# Altium PCB FPGA_Module.PcbDoc (part 3 of 6)
Units mm, origin at the board's own origin, x right, y up, seen from the top; angles counter-clockwise.
Board outline 40 x 50 mm, 6 copper layers (Top Layer, Int1 (GND), Int2 (Sign), Int3 (Sign), Int4 (GND), Bottom Layer), stack 1.482 mm thick; 195 components, 212 nets, 1182 pads, 669 vias.
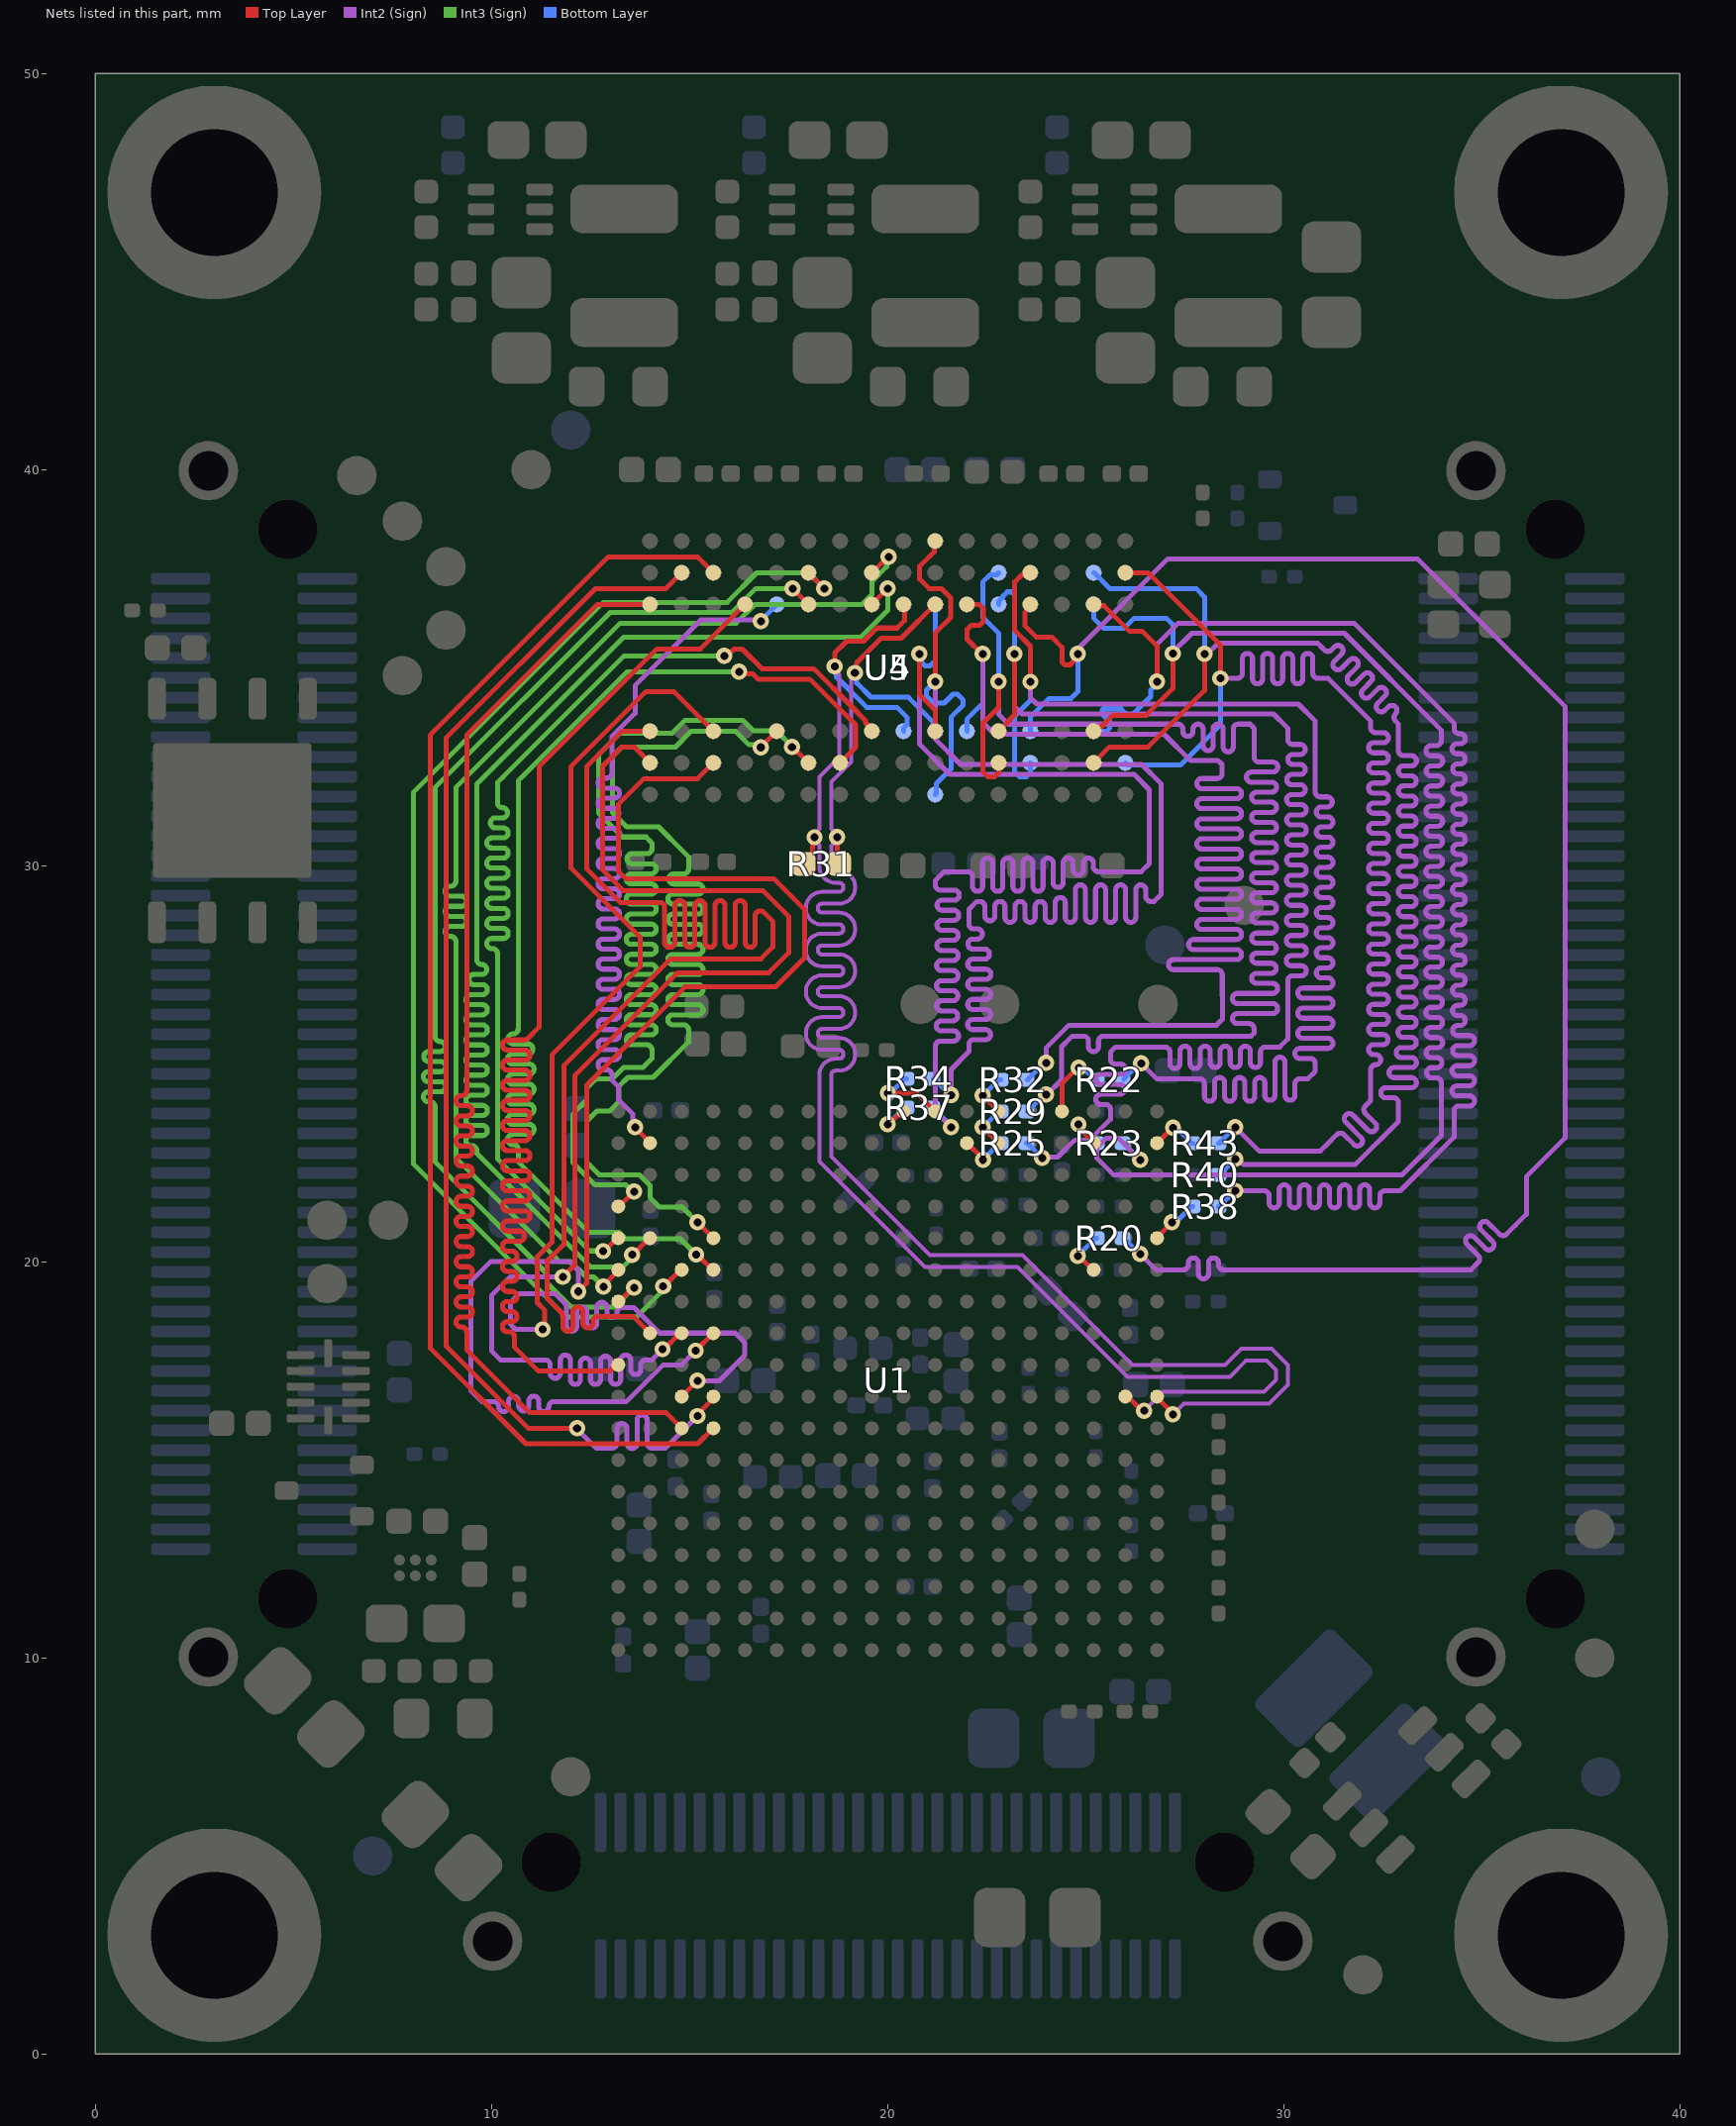
[diagram p7: the nets of this part, all layers, seen from the top]

## Via types
v1: diameter 0.406, hole 0.203, Top Layer to Bottom Layer, tented both sides, 669 vias

## Nets (pads, with @x,y where several pads share a name; then routed paths per layer and width w, separated by ;. In a path a pad name is that pad's centre, name@x,y a point inside that pad or via, vN(x,y) a via of type N, cw(c..) or ccw(c..) an arc to the next point about the centre after c; other vN are vias at no path point) (continued)
DDR3_A7_T: R40.2 U4.R2 U5.R2 | length 46.8
  Top Layer w0.127: U4.R2@25.2,32.6 25.6,33 26.575,33 28,34.425 v1(28,35.35)
  Int2 (Sign) w0.127: v1(28,35.35) 28.072,35.35 28.339,35.617 30.858,35.617 30.979,35.496 31.024,35.451 ccw(c31.114,35.54) 31.204,35.451 31.28,35.527 cw(c31.37,35.437) 31.46,35.527 cw(c31.37,35.437) 31.46,35.348 31.277,35.164 ccw(c31.367,35.075) 31.277,34.985 ccw(c31.367,35.075) 31.457,34.985 31.666,35.195 cw(c31.756,35.105) 31.846,35.195 cw(c31.756,35.105) 31.846,35.015 31.636,34.805 ccw(c31.726,34.715) 31.636,34.626 ccw(c31.726,34.715) 31.816,34.626 32.026,34.835 cw(c32.115,34.746) 32.205,34.835 cw(c32.115,34.746) 32.205,34.656 31.995,34.446 ccw(c32.085,34.356) 31.995,34.266 ccw(c32.085,34.356) 32.175,34.266 32.375,34.466 cw(c32.465,34.377) 32.555,34.466 cw(c32.465,34.377) 32.555,34.287 32.371,34.104 ccw(c32.461,34.014) 32.371,33.924 ccw(c32.461,34.014) 32.551,33.924 32.641,34.014 cw(c32.731,33.924) 32.82,34.014 cw(c32.731,33.924) 32.82,33.834 ccw(c32.91,33.744) 32.82,33.655 32.895,33.58 32.895,33.456 32.895,33.425 32.895,32.906 ccw(c33.022,32.906) 33.022,32.779 33.226,32.779 cw(c33.226,32.652) 33.226,32.525 33.021,32.525 ccw(c33.021,32.398) 33.021,32.271 33.218,32.271 cw(c33.218,32.144) 33.218,32.017 33.021,32.017 ccw(c33.021,31.89) 33.021,31.763 33.218,31.763 cw(c33.218,31.636) 33.218,31.509 33.021,31.509 ccw(c33.021,31.382) 33.021,31.255 33.217,31.255 cw(c33.217,31.128) 33.217,31.001 33.021,31.001 ccw(c33.021,30.874) 33.021,30.747 33.217,30.747 cw(c33.217,30.62) 33.217,30.493 33.021,30.493 ccw(c33.021,30.366) 33.021,30.239 33.217,30.239 cw(c33.217,30.112) 33.217,29.985 33.02,29.985 ccw(c33.02,29.858) 33.02,29.731 33.216,29.731 cw(c33.216,29.604) 33.216,29.477 33.02,29.477 ccw(c33.02,29.35) 33.02,29.223 33.216,29.223 cw(c33.216,29.096) 33.216,28.969 33.02,28.969 ccw(c33.02,28.842) 33.02,28.715 33.215,28.715 cw(c33.215,28.588) 33.215,28.461 33.019,28.461 ccw(c33.019,28.334) 33.019,28.207 33.215,28.207 cw(c33.215,28.08) 33.215,27.953 33.019,27.953 ccw(c33.019,27.826) 33.019,27.699 33.214,27.699 cw(c33.214,27.572) 33.214,27.445 33.018,27.445 ccw(c33.018,27.318) 33.018,27.191 33.215,27.191 cw(c33.215,27.064) 33.215,26.937 33.018,26.937 ccw(c33.018,26.81) 33.018,26.683 33.215,26.683 cw(c33.215,26.556) 33.215,26.429 33.019,26.429 ccw(c33.019,26.302) 33.019,26.175 33.217,26.175 cw(c33.217,26.048) 33.217,25.921 33.011,25.921 ccw(c33.011,25.794) 33.011,25.667 33.219,25.667 cw(c33.219,25.54) 33.219,25.413 32.966,25.413 ccw(c32.966,25.286) 32.966,25.159 33.223,25.159 cw(c33.223,25.032) 33.223,24.905 32.783,24.905 ccw(c32.783,24.778) 32.783,24.651 33.224,24.651 cw(c33.224,24.524) 33.224,24.397 32.576,24.397 ccw(c32.576,24.27) 32.576,24.143 32.768,24.143 cw(c32.768,24.016) 32.895,24.016 32.895,23.952 32.895,23.548 31.801,22.454 28.989,22.454 28.849,22.594 v1(28.775,22.594)
  Bottom Layer w0.127: U5.R2@25.208,37.4 25.618,36.991 27.795,36.991 28,36.786 v1@28,35.358 ; R40.2@28.35,22.2 28.378,22.2 28.772,22.594 v1(28.775,22.594)
DDR3_A8: R43.1 U1.V17 | length 1.2
  Top Layer w0.127: U1.V17@26.8,23 26.807,23 27.195,23.387 v1(27.202,23.387)
  Bottom Layer w0.127: v1(27.202,23.387) 27.278,23.387 27.35,23.315 27.36,23.315 27.675,23 R43.1@27.7,23
DDR3_A8_T: R43.2 U4.T8 U5.T8 | length 46.9
  Top Layer w0.127: U4.T8@26,37.4 26.575,37.4 28.4,35.575 v1(28.4,34.732)
  Int2 (Sign) w0.127: v1(28.4,34.732) 28.766,34.732 28.83,34.732 ccw(c28.83,34.859) 28.957,34.859 28.957,35.236 cw(c29.084,35.236) 29.211,35.236 29.211,34.72 ccw(c29.338,34.72) 29.465,34.72 29.465,35.236 cw(c29.592,35.236) 29.719,35.236 29.719,34.72 ccw(c29.846,34.72) 29.973,34.72 29.973,35.236 cw(c30.1,35.236) 30.227,35.236 30.227,34.72 ccw(c30.354,34.72) 30.481,34.72 30.481,35.236 cw(c30.608,35.236) 30.735,35.236 30.735,34.859 ccw(c30.862,34.859) 30.862,34.732 31.118,34.732 31.15,34.7 32.195,33.655 32.195,33.55 32.195,33.486 ccw(c32.322,33.486) 32.322,33.359 32.514,33.359 cw(c32.514,33.232) 32.514,33.105 32.266,33.105 ccw(c32.266,32.978) 32.266,32.851 32.514,32.851 cw(c32.514,32.724) 32.514,32.597 32.266,32.597 ccw(c32.266,32.47) 32.266,32.343 32.514,32.343 cw(c32.514,32.216) 32.514,32.089 32.266,32.089 ccw(c32.266,31.962) 32.266,31.835 32.514,31.835 cw(c32.514,31.708) 32.514,31.581 32.266,31.581 ccw(c32.266,31.454) 32.266,31.327 32.514,31.327 cw(c32.514,31.2) 32.514,31.073 32.266,31.073 ccw(c32.266,30.946) 32.266,30.819 32.514,30.819 cw(c32.514,30.692) 32.514,30.565 32.266,30.565 ccw(c32.266,30.438) 32.266,30.311 32.514,30.311 cw(c32.514,30.184) 32.514,30.057 32.266,30.057 ccw(c32.266,29.93) 32.266,29.803 32.514,29.803 cw(c32.514,29.676) 32.514,29.549 32.266,29.549 ccw(c32.266,29.422) 32.266,29.295 32.514,29.295 cw(c32.514,29.168) 32.514,29.041 32.266,29.041 ccw(c32.266,28.914) 32.266,28.787 32.514,28.787 cw(c32.514,28.66) 32.514,28.533 32.266,28.533 ccw(c32.266,28.406) 32.266,28.279 32.514,28.279 cw(c32.514,28.152) 32.514,28.025 32.266,28.025 ccw(c32.266,27.898) 32.266,27.771 32.514,27.771 cw(c32.514,27.644) 32.514,27.517 32.266,27.517 ccw(c32.266,27.39) 32.266,27.263 32.514,27.263 cw(c32.514,27.136) 32.514,27.009 32.266,27.009 ccw(c32.266,26.882) 32.266,26.755 32.514,26.755 cw(c32.514,26.628) 32.514,26.501 32.267,26.501 ccw(c32.267,26.374) 32.267,26.247 32.514,26.247 cw(c32.514,26.12) 32.514,25.993 32.269,25.993 ccw(c32.269,25.866) 32.269,25.739 32.505,25.739 cw(c32.505,25.612) 32.505,25.485 32.27,25.485 ccw(c32.27,25.358) 32.27,25.231 32.322,25.231 cw(c32.322,25.104) 32.322,24.977 ccw(c32.322,24.85) 32.195,24.85 32.195,24.135 32.195,24.095 32.195,24.07 32.057,23.932 ccw(c32.147,23.842) 32.057,23.753 32.309,23.501 cw(c32.219,23.411) 32.309,23.321 cw(c32.219,23.411) 32.129,23.321 31.745,23.706 ccw(c31.655,23.616) 31.565,23.706 ccw(c31.655,23.616) 31.565,23.526 31.95,23.142 cw(c31.86,23.052) 31.95,22.962 cw(c31.86,23.052) 31.77,22.962 31.518,23.214 ccw(c31.429,23.124) 31.339,23.214 31.114,22.989 30.925,22.8 29.375,22.8 v1(28.775,23.4)
  Bottom Layer w0.127: U5.T8@26,32.6 26.052,32.548 26.204,32.548 26.211,32.541 27.391,32.541 28.4,33.55 v1(28.4,34.732) ; R43.2@28.35,23 28.375,23 v1(28.775,23.4)
DDR3_A9: R23.1 U1.T17 | length 1.3
  Top Layer w0.127: v1(24.819,23.469) 24.826,23.469 24.826,23.388 25.187,23.026 U1.T17@25.187,23
  Bottom Layer w0.127: v1(24.819,23.469) 24.826,23.469 24.826,23.413 25.238,23 R23.1@25.275,23
DDR3_A9_T: R23.2 U4.R3 U5.R3 | length 47
  Top Layer w0.127: U4.R3@25.2,33.4 25.274,33.4 25.379,33.505 25.393,33.505 25.688,33.8 26.525,33.8 27.2,34.475 v1(27.2,35.359)
  Int2 (Sign) w0.127: v1(26.375,22.575) 25.825,23.125 25.525,23.125 25.275,22.875 25.275,22.625 25.7,22.2 32.991,22.2 33.975,23.184 33.975,23.8 33.975,24.521 ccw(c33.848,24.521) 33.848,24.648 33.732,24.648 cw(c33.732,24.775) 33.732,24.902 33.867,24.902 ccw(c33.867,25.029) 33.867,25.156 33.72,25.156 cw(c33.72,25.283) 33.72,25.41 33.883,25.41 ccw(c33.883,25.537) 33.883,25.664 33.715,25.664 cw(c33.715,25.791) 33.715,25.918 33.882,25.918 ccw(c33.882,26.045) 33.882,26.172 33.712,26.172 cw(c33.712,26.299) 33.712,26.426 33.881,26.426 ccw(c33.881,26.553) 33.881,26.68 33.711,26.68 cw(c33.711,26.807) 33.711,26.934 33.88,26.934 ccw(c33.88,27.061) 33.88,27.188 33.71,27.188 cw(c33.71,27.315) 33.71,27.442 33.88,27.442 ccw(c33.88,27.569) 33.88,27.696 33.711,27.696 cw(c33.711,27.823) 33.711,27.95 33.88,27.95 ccw(c33.88,28.077) 33.88,28.204 33.711,28.204 cw(c33.711,28.331) 33.711,28.458 33.88,28.458 ccw(c33.88,28.585) 33.88,28.712 33.712,28.712 cw(c33.712,28.839) 33.712,28.966 33.88,28.966 ccw(c33.88,29.093) 33.88,29.22 33.712,29.22 cw(c33.712,29.347) 33.712,29.474 33.881,29.474 ccw(c33.881,29.601) 33.881,29.728 33.713,29.728 cw(c33.713,29.855) 33.713,29.982 33.882,29.982 ccw(c33.882,30.109) 33.882,30.236 33.713,30.236 cw(c33.713,30.363) 33.713,30.49 33.883,30.49 ccw(c33.883,30.617) 33.883,30.744 33.714,30.744 cw(c33.714,30.871) 33.714,30.998 33.884,30.998 ccw(c33.884,31.125) 33.884,31.252 33.714,31.252 cw(c33.714,31.379) 33.714,31.506 33.884,31.506 ccw(c33.884,31.633) 33.884,31.76 33.714,31.76 cw(c33.714,31.887) 33.714,32.014 33.885,32.014 ccw(c33.885,32.141) 33.885,32.268 33.722,32.268 cw(c33.722,32.395) 33.722,32.522 33.886,32.522 ccw(c33.886,32.649) 33.886,32.776 33.717,32.776 cw(c33.717,32.903) 33.717,33.03 33.848,33.03 ccw(c33.848,33.157) 33.975,33.157 33.975,33.425 33.925,33.475 31.529,35.871 27.678,35.871 27.2,35.393 v1(27.2,35.359)
  Bottom Layer w0.127: U5.R3@25.2,36.6 25.2,36.25 25.45,36 25.975,36 26.225,36.25 27.039,36.25 27.2,36.089 v1(27.2,35.359) ; R23.2@25.963,23 25.963,22.987 v1(26.375,22.575)
DDR3_A10: R32.1 U1.N18 | length 1.2
  Top Layer w0.127: v1(22.4,24.2) U1.N18@22.8,23.8
  Bottom Layer w0.127: v1(22.4,24.2) 22.413,24.2 22.813,24.6 R32.1@22.85,24.6
DDR3_A10_T: R32.2 U4.L7 U5.L7 | length 45.9
  Top Layer w0.127: U4.L7@22,36.6 22.308,36.6 22.42,36.489 22.42,36.167 22.324,36.071 22.109,36.071 22.005,35.967 22.005,35.72 22.375,35.35 v1(22.4,35.35)
  Int2 (Sign) w0.127: v1(22.4,35.35) 22.4,33.625 22.702,33.323 26.977,33.323 27.647,32.653 28.347,32.653 28.39,32.61 28.443,32.557 28.443,32.546 28.443,32.33 cw(c28.316,32.33) 28.316,32.203 27.931,32.203 ccw(c27.931,32.076) 27.931,31.949 28.807,31.949 cw(c28.807,31.822) 28.807,31.695 27.931,31.695 ccw(c27.931,31.568) 27.931,31.441 28.807,31.441 cw(c28.807,31.314) 28.807,31.187 27.931,31.187 ccw(c27.931,31.06) 27.931,30.933 28.807,30.933 cw(c28.807,30.806) 28.807,30.679 27.931,30.679 ccw(c27.931,30.552) 27.931,30.425 28.807,30.425 cw(c28.807,30.298) 28.807,30.171 27.931,30.171 ccw(c27.931,30.044) 27.931,29.917 28.807,29.917 cw(c28.807,29.79) 28.807,29.663 27.931,29.663 ccw(c27.931,29.536) 27.931,29.409 28.807,29.409 cw(c28.807,29.282) 28.807,29.155 27.931,29.155 ccw(c27.931,29.028) 27.931,28.901 28.807,28.901 cw(c28.807,28.774) 28.807,28.647 27.931,28.647 ccw(c27.931,28.52) 27.931,28.393 28.807,28.393 cw(c28.807,28.266) 28.807,28.139 27.725,28.139 ccw(c27.725,28.012) 27.725,27.885 28.807,27.885 cw(c28.807,27.758) 28.807,27.631 27.217,27.631 ccw(c27.217,27.504) 27.217,27.377 28.322,27.377 cw(c28.322,27.25) 28.449,27.25 28.45,26.125 28.368,26.043 28.3,25.975 24.575,25.975 24,25.4 v1(24,25.025)
  Bottom Layer w0.127: U5.L7@22,33.4 22,33.7 22.4,34.1 v1(22.4,35.35) ; R32.2@23.533,24.6 23.538,24.6 23.963,25.025 v1(24,25.025)
DDR3_A11: R38.1 U1.V14 | length 1.2
  Top Layer w0.127: U1.V14@26.8,20.6 26.8,20.613 27.175,20.988 v1(27.175,21)
  Bottom Layer w0.127: v1(27.175,21) 27.228,21.053 27.328,21.053 27.675,21.4 R38.1@27.7,21.4
DDR3_A11_T: R38.2 U4.R7 U5.R7 | length 48
  Top Layer w0.127: U4.R7@25.2,36.6 25.237,36.563 25.462,36.563 26.1,35.925 26.425,35.925 26.8,35.55 v1(26.8,34.65)
  Int2 (Sign) w0.127: v1(26.8,34.65) 26.8,35.59 27.335,36.125 31.775,36.125 34.3,33.6 34.3,33.525 34.3,33.461 ccw(c34.427,33.461) 34.427,33.334 34.456,33.334 cw(c34.456,33.207) 34.456,33.08 34.374,33.08 ccw(c34.374,32.953) 34.374,32.826 34.456,32.826 cw(c34.456,32.699) 34.456,32.572 34.391,32.572 ccw(c34.391,32.445) 34.391,32.318 34.456,32.318 cw(c34.456,32.191) 34.456,32.064 34.39,32.064 ccw(c34.39,31.937) 34.39,31.81 34.456,31.81 cw(c34.456,31.683) 34.456,31.556 34.39,31.556 ccw(c34.39,31.429) 34.39,31.302 34.456,31.302 cw(c34.456,31.175) 34.456,31.048 34.389,31.048 ccw(c34.389,30.921) 34.389,30.794 34.456,30.794 cw(c34.456,30.667) 34.456,30.54 34.389,30.54 ccw(c34.389,30.413) 34.389,30.286 34.456,30.286 cw(c34.456,30.159) 34.456,30.032 34.388,30.032 ccw(c34.388,29.905) 34.388,29.778 34.456,29.778 cw(c34.456,29.651) 34.456,29.524 34.388,29.524 ccw(c34.388,29.397) 34.388,29.27 34.456,29.27 cw(c34.456,29.143) 34.456,29.016 34.387,29.016 ccw(c34.387,28.889) 34.387,28.762 34.456,28.762 cw(c34.456,28.635) 34.456,28.508 34.387,28.508 ccw(c34.387,28.381) 34.387,28.254 34.456,28.254 cw(c34.456,28.127) 34.456,28 34.387,28 ccw(c34.387,27.873) 34.387,27.746 34.456,27.746 cw(c34.456,27.619) 34.456,27.492 34.387,27.492 ccw(c34.387,27.365) 34.387,27.238 34.456,27.238 cw(c34.456,27.111) 34.456,26.984 34.387,26.984 ccw(c34.387,26.857) 34.387,26.73 34.456,26.73 cw(c34.456,26.603) 34.456,26.476 34.388,26.476 ccw(c34.388,26.349) 34.388,26.222 34.456,26.222 cw(c34.456,26.095) 34.456,25.968 34.389,25.968 ccw(c34.389,25.841) 34.389,25.714 34.69,25.714 cw(c34.69,25.587) 34.69,25.46 34.39,25.46 ccw(c34.39,25.333) 34.39,25.206 34.69,25.206 cw(c34.69,25.079) 34.69,24.952 34.374,24.952 ccw(c34.374,24.825) 34.374,24.698 34.69,24.698 cw(c34.69,24.571) 34.69,24.444 34.374,24.444 ccw(c34.374,24.317) 34.374,24.19 34.69,24.19 cw(c34.69,24.063) 34.69,23.936 34.427,23.936 ccw(c34.427,23.809) 34.3,23.809 34.3,23.228 34.3,23.15 32.955,21.805 32.943,21.794 32.552,21.794 ccw(c32.552,21.667) 32.425,21.667 32.425,21.489 cw(c32.298,21.489) 32.171,21.489 32.171,21.819 ccw(c32.044,21.819) 31.917,21.819 31.917,21.489 cw(c31.79,21.489) 31.663,21.489 31.663,21.819 ccw(c31.536,21.819) 31.409,21.819 31.409,21.489 cw(c31.282,21.489) 31.155,21.489 31.155,21.819 ccw(c31.028,21.819) 30.901,21.819 30.901,21.489 cw(c30.774,21.489) 30.647,21.489 30.647,21.819 ccw(c30.52,21.819) 30.393,21.819 30.393,21.489 cw(c30.266,21.489) 30.139,21.489 30.139,21.819 ccw(c30.012,21.819) 29.885,21.819 29.885,21.489 cw(c29.758,21.489) 29.631,21.489 29.631,21.667 ccw(c29.504,21.667) 29.504,21.794 29.186,21.794 v1(28.775,21.794)
  Bottom Layer w0.127: U5.R7@25.2,33.4 25.535,33.4 25.61,33.474 25.61,33.64 25.419,33.831 25.419,33.936 25.448,33.965 25.887,33.965 26.057,33.795 26.162,33.795 26.563,34.196 26.567,34.196 26.641,34.27 26.641,34.441 26.8,34.599 v1(26.8,34.65) ; R38.2@28.35,21.4 28.375,21.4 28.769,21.794 v1(28.775,21.794)
DDR3_A12: R20.1 U1.T13 | length 1.2
  Top Layer w0.127: v1(24.8,20.15) 24.825,20.15 25.175,19.8 U1.T13@25.2,19.8
  Bottom Layer w0.127: v1(24.8,20.15) 25.25,20.6 R20.1@25.275,20.6
DDR3_A12_T: R20.2 U4.N7 U5.N7 | length 48.1
  Top Layer w0.127: U4.N7@23.6,36.6 23.6,36.526 23.464,36.39 23.464,36.062 23.75,35.775 24.141,35.775 24.4,35.516 24.4,35.143 24.474,35.069 24.605,35.069 24.654,35.118 24.654,35.128 24.8,35.274 v1(24.8,35.35)
  Int2 (Sign) w0.127: v1(24.8,35.35) 24.853,35.403 24.853,35.529 27.074,37.75 33.375,37.75 37.1,34.025 37.1,23.125 36.125,22.15 36.125,21.2 35.85,20.925 35.626,20.701 cw(c35.536,20.79) 35.446,20.701 35.164,20.983 ccw(c35.074,20.893) 34.984,20.983 ccw(c35.074,20.893) 34.984,20.803 35.27,20.518 cw(c35.18,20.428) 35.27,20.338 cw(c35.18,20.428) 35.09,20.338 34.804,20.624 ccw(c34.715,20.534) 34.625,20.624 ccw(c34.715,20.534) 34.625,20.444 34.907,20.162 cw(c34.817,20.072) 34.907,19.982 34.725,19.8 34.6,19.8 29.079,19.8 28.481,19.8 cw(c28.481,19.927) 28.354,19.927 28.354,19.973 ccw(c28.227,19.973) 28.1,19.973 28.1,19.697 cw(c27.973,19.697) 27.846,19.697 27.846,19.973 ccw(c27.719,19.973) 27.592,19.973 27.592,19.927 cw(c27.465,19.927) 27.465,19.8 26.893,19.8 26.775,19.8 v1(26.375,20.2)
  Bottom Layer w0.127: U5.N7@23.6,33.4 23.6,33.75 24.075,34.225 24.63,34.225 24.8,34.395 v1(24.8,35.35) ; R20.2@25.963,20.6 26.362,20.2 v1(26.375,20.2)
DDR3_BA0: R29.1 U1.N17 | length 1.2
  Top Layer w0.127: v1(22.4,23.4) U1.N17@22.8,23
  Bottom Layer w0.127: v1(22.4,23.4) 22.412,23.4 22.812,23.8 R29.1@22.85,23.8
DDR3_BA0_T: R29.2 U4.M2 U5.M2 | length 47.5
  Top Layer w0.127: U4.M2@22.8,32.6 22.8,32.35 22.7,32.25 22.525,32.25 22.41,32.365 22.41,33.608 22.804,34.002 22.804,34.646 v1(22.8,34.65)
  Int2 (Sign) w0.127: v1(22.8,34.65) 22.8,33.825 23.048,33.577 27.05,33.577 27.327,33.577 cw(c27.327,33.45) 27.454,33.45 27.454,33.392 ccw(c27.581,33.392) 27.708,33.392 27.708,33.45 cw(c27.835,33.45) 27.962,33.45 27.962,33.034 ccw(c28.089,33.034) 28.216,33.034 28.216,33.45 cw(c28.343,33.45) 28.47,33.45 28.47,33.002 ccw(c28.597,33.002) 28.724,33.002 28.724,33.45 cw(c28.851,33.45) 28.851,33.577 28.915,33.577 29.148,33.577 29.219,33.506 29.25,33.475 29.25,32.747 ccw(c29.377,32.747) 29.377,32.62 29.723,32.62 cw(c29.723,32.493) 29.723,32.366 29.184,32.366 ccw(c29.184,32.239) 29.184,32.112 29.693,32.112 cw(c29.693,31.985) 29.693,31.858 29.315,31.858 ccw(c29.315,31.731) 29.315,31.604 29.693,31.604 cw(c29.693,31.477) 29.693,31.35 29.315,31.35 ccw(c29.315,31.223) 29.315,31.096 29.692,31.096 cw(c29.692,30.969) 29.692,30.842 29.315,30.842 ccw(c29.315,30.715) 29.315,30.588 29.691,30.588 cw(c29.691,30.461) 29.691,30.334 29.315,30.334 ccw(c29.315,30.207) 29.315,30.08 29.69,30.08 cw(c29.69,29.953) 29.69,29.826 29.315,29.826 ccw(c29.315,29.699) 29.315,29.572 29.688,29.572 cw(c29.688,29.445) 29.688,29.318 29.315,29.318 ccw(c29.315,29.191) 29.315,29.064 29.687,29.064 cw(c29.687,28.937) 29.687,28.81 29.315,28.81 ccw(c29.315,28.683) 29.315,28.556 29.686,28.556 cw(c29.686,28.429) 29.686,28.302 29.315,28.302 ccw(c29.315,28.175) 29.315,28.048 29.684,28.048 cw(c29.684,27.921) 29.684,27.794 29.315,27.794 ccw(c29.315,27.667) 29.315,27.54 29.682,27.54 cw(c29.682,27.413) 29.682,27.286 29.315,27.286 ccw(c29.315,27.159) 29.315,27.032 29.719,27.032 cw(c29.719,26.905) 29.719,26.778 28.831,26.778 ccw(c28.831,26.651) 28.831,26.524 29.719,26.524 cw(c29.719,26.397) 29.719,26.27 28.831,26.27 ccw(c28.831,26.143) 28.831,26.016 29.123,26.016 cw(c29.123,25.889) 29.25,25.889 29.25,25.825 29.25,25.774 29.176,25.7 25.786,25.7 25.451,25.7 ccw(c25.451,25.573) 25.324,25.573 25.324,25.434 cw(c25.197,25.434) 25.07,25.434 25.07,25.573 ccw(c24.943,25.573) 24.943,25.7 24.659,25.7 24.625,25.666 24.394,25.434 24.394,24.598 24.021,24.225 v1(24,24.225)
  Bottom Layer w0.127: v1(22.8,34.65) 22.8,35.875 22.41,36.265 22.41,37.174 22.584,37.348 22.748,37.348 U5.M2@22.8,37.4 ; R29.2@23.533,23.8 23.538,23.8 23.963,24.225 v1(24,24.225)
DDR3_BA1: R22.1 U1.R18 | length 1.9
  Top Layer w0.127: U1.R18@24.4,23.8 24.4,24.5 24.8,24.9 v1(24.825,24.9)
  Bottom Layer w0.127: v1(24.825,24.9) 24.825,24.875 24.853,24.847 24.99,24.847 25.237,24.6 R22.1@25.275,24.6
DDR3_BA1_T: R22.2 U4.N8 U5.N8 | length 45.8
  Top Layer w0.127: U4.N8@23.6,37.4 23.548,37.348 23.392,37.348 23.21,37.166 23.21,35.94 23.602,35.548 v1(23.602,34.648)
  Int2 (Sign) w0.127: v1(23.602,34.648) v1(23.602,34.648) 23.601,34.249 23.765,34.085 30.365,34.085 30.795,33.655 30.795,33.625 30.795,31.867 ccw(c30.922,31.867) 30.922,31.74 31.099,31.74 cw(c31.099,31.613) 31.099,31.486 30.949,31.486 ccw(c30.949,31.359) 30.949,31.232 31.114,31.232 cw(c31.114,31.105) 31.114,30.978 30.949,30.978 ccw(c30.949,30.851) 30.949,30.724 31.114,30.724 cw(c31.114,30.597) 31.114,30.47 30.949,30.47 ccw(c30.949,30.343) 30.949,30.216 31.114,30.216 cw(c31.114,30.089) 31.114,29.962 30.949,29.962 ccw(c30.949,29.835) 30.949,29.708 31.114,29.708 cw(c31.114,29.581) 31.114,29.454 30.949,29.454 ccw(c30.949,29.327) 30.949,29.2 31.114,29.2 cw(c31.114,29.073) 31.114,28.946 30.949,28.946 ccw(c30.949,28.819) 30.949,28.692 31.114,28.692 cw(c31.114,28.565) 31.114,28.438 30.949,28.438 ccw(c30.949,28.311) 30.949,28.184 31.114,28.184 cw(c31.114,28.057) 31.114,27.93 30.949,27.93 ccw(c30.949,27.803) 30.949,27.676 31.114,27.676 cw(c31.114,27.549) 31.114,27.422 30.949,27.422 ccw(c30.949,27.295) 30.949,27.168 31.114,27.168 cw(c31.114,27.041) 31.114,26.914 30.481,26.914 ccw(c30.481,26.787) 30.481,26.66 31.114,26.66 cw(c31.114,26.533) 31.114,26.406 30.481,26.406 ccw(c30.481,26.279) 30.481,26.152 31.114,26.152 cw(c31.114,26.025) 31.114,25.898 30.481,25.898 ccw(c30.481,25.771) 30.481,25.644 31.114,25.644 cw(c31.114,25.517) 31.114,25.39 30.407,25.39 ccw(c30.407,25.263) 30.407,25.136 30.668,25.136 cw(c30.668,25.009) 30.795,25.009 30.795,24.945 30.795,24.809 30.612,24.625 30.411,24.625 ccw(c30.411,24.498) 30.284,24.498 30.284,24.206 cw(c30.157,24.206) 30.03,24.206 30.03,25.04 ccw(c29.903,25.04) 29.776,25.04 29.776,24.206 cw(c29.649,24.206) 29.522,24.206 29.522,24.525 ccw(c29.395,24.525) 29.268,24.525 29.268,24.181 cw(c29.141,24.181) 29.014,24.181 29.014,24.525 ccw(c28.887,24.525) 28.76,24.525 28.76,24.181 cw(c28.633,24.181) 28.506,24.181 28.506,24.525 ccw(c28.379,24.525) 28.252,24.525 28.252,24.181 cw(c28.125,24.181) 27.998,24.181 27.998,24.498 ccw(c27.871,24.498) 27.871,24.625 27.046,24.625 26.787,24.625 v1(26.401,25.012)